# Altium PCB LED_BUFFER_v1.EDIT.PcbDoc (part 1 of 2)
Units mm, origin at the board's own origin, x right, y up, seen from the top; angles counter-clockwise.
Board outline 280 x 45 mm, 2 copper layers (Top Layer, Bottom Layer); 70 components, 165 nets, 480 pads, 245 vias.
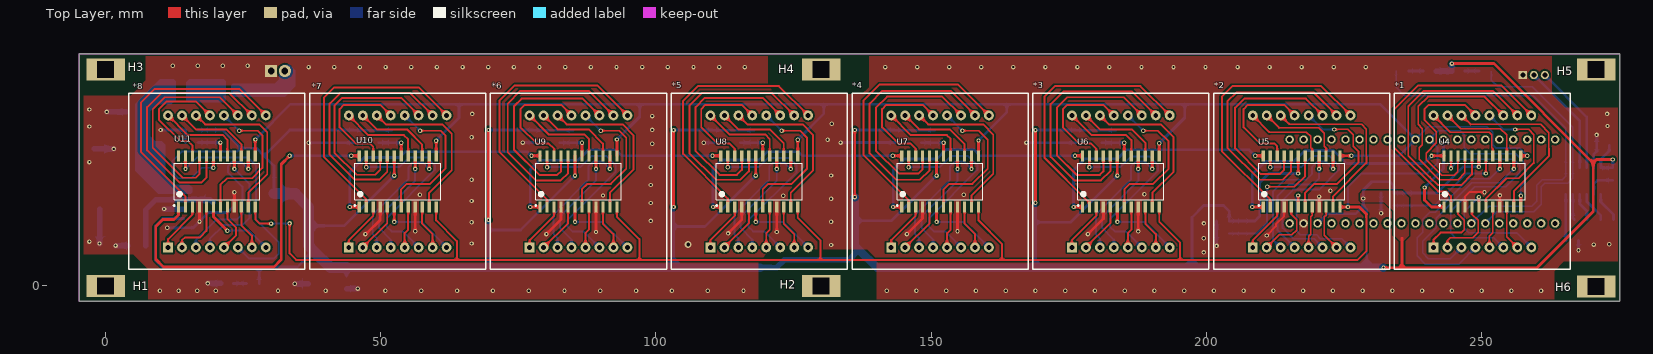
[diagram p0: Top Layer view]
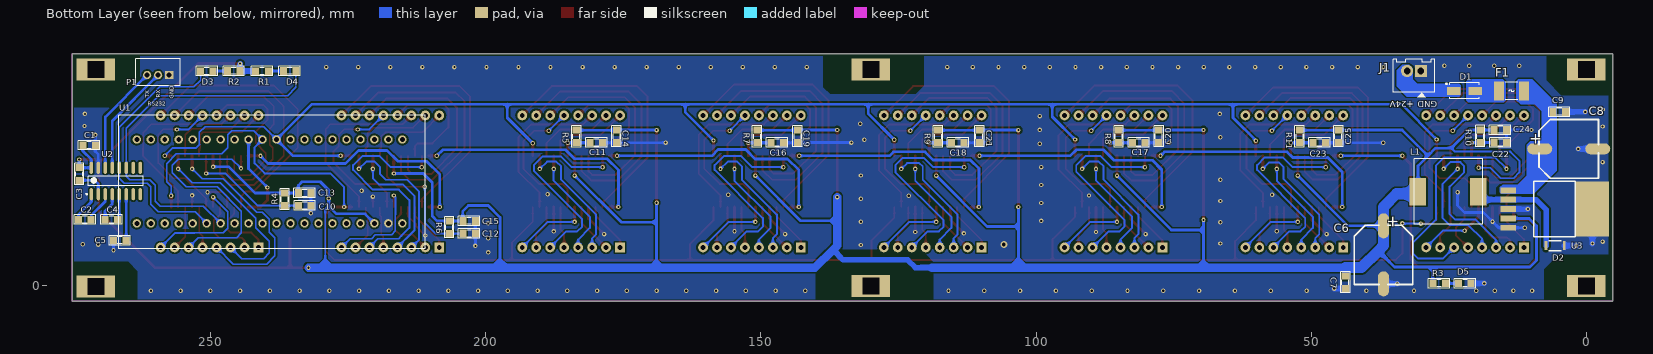
[diagram p1: Bottom Layer view, seen from below]
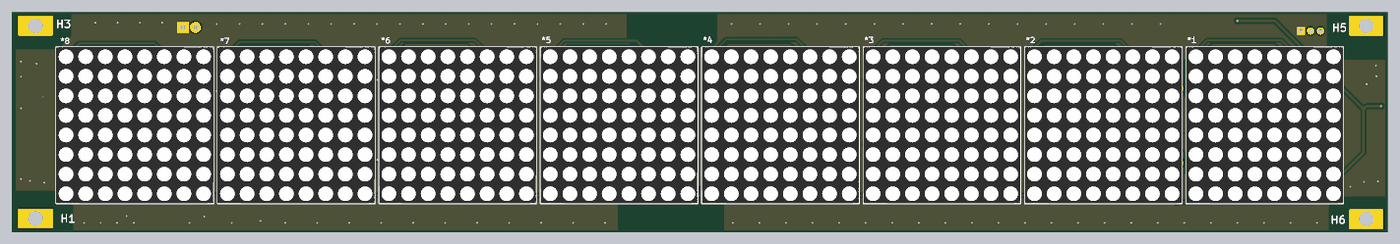
[diagram p3: 3D render of the assembled board from above, using the file's embedded part models]
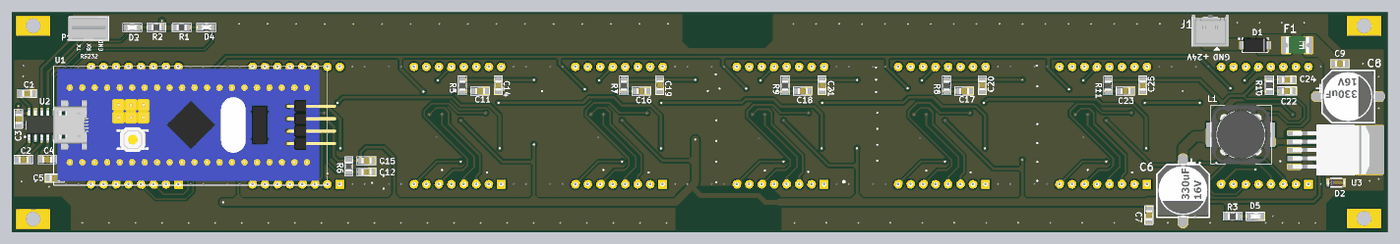
[diagram p4: 3D render of the assembled board from below, using the file's embedded part models]

## Layer stack, top to bottom
Top Solder: solder mask 0.0102, Solder Resist, Dk 3.5
Top Layer: signal copper 0.0356
Dielectric 1: dielectric 0.32, FR-4, Dk 4.8
Bottom Layer: signal copper 0.0356
Bottom Solder: solder mask 0.0102, Solder Resist, Dk 3.5

## Board outline
-4.791,-2.836 -4.791,42.164 275.209,42.164 275.209,-2.836

## Design rules (kind name [scope] priority, off if disabled: settings)
Clearance [All] p1: gap=0.254 ignorepadtopadclearanceinfootprint=FALSE except(0.35: Arc-Fill Arc-Poly Arc-Region Track-Fill Track-Poly Track-Region SMDPad-Fill SMDPad-Poly SMDPad-Region THPad-Fill THPad-Poly THPad-Region Via-Fill Via-Poly Via-Region)
PlaneConnect [All] p1: planeconnectstyle=Direct reliefexpansion=0.508 reliefentries=4 reliefconductorwidth=0.254 reliefairgap=0.254
PolygonConnect [All] p1: connectstyle=Direct reliefconductorwidth=0.254 reliefentries=4 polygonreliefangle="90 Angle" airgapwidth=0.254
RoutingPriority [All] p1: routingpriority=1
RoutingVias [All] p1: holewidth=0.508 width=0.965 viastyle="Through Hole" minholewidth=0.4 minwidth=0.8 maxholewidth=0.508 maxwidth=0.965
SolderMaskExpansion [All] p1: expansion=0.102
Width [All] p1: maxlimit=3 minlimit=0.254 preferedwidth=0.508 minimp=50.000000 maximp=50.000000 favimp=50.000000
28 further rules are at their usual default settings.

## Components (designator, comment, footprint, x,y, rotation, side; value= is the part's Value field where it differs from the comment)
*1 "LED MATRIX 8x8" "LED MATRIX 8x8" 241.317,6.985 r0 top locked
*2 "LED MATRIX 8x8" "LED MATRIX 8x8" 208.46,6.985 r0 top locked
*3 "LED MATRIX 8x8" "LED MATRIX 8x8" 175.604,6.985 r0 top locked
*4 "LED MATRIX 8x8" "LED MATRIX 8x8" 142.747,6.985 r0 top locked
*5 "LED MATRIX 8x8" "LED MATRIX 8x8" 109.891,6.985 r0 top locked
*6 "LED MATRIX 8x8" "LED MATRIX 8x8" 77.034,6.985 r0 top locked
*7 "LED MATRIX 8x8" "LED MATRIX 8x8" 44.178,6.985 r0 top locked
*8 "LED MATRIX 8x8" "LED MATRIX 8x8" 11.321,6.985 r0 top locked
C1 "104" "0805 CAP" 272.11,25.539 r0 bottom
C2 "104" "0805 CAP" 272.872,12.049 r0 bottom
C3 "104" "0805 CAP" 273.888,20.332 r270 bottom
C4 "104" "0805 CAP" 268.046,12.049 r180 bottom
C5 "104" "0805 CAP" 266.522,8.267 r180 bottom
C6 "1000uF/35V" "CAP ALUMINUM SMD" 36.847,10.795 r270 bottom
C7 "104" "0805 CAP" 43.764,0.647 r270 bottom
C8 "1000uF/35V" "CAP ALUMINUM SMD" 8.331,24.904 r180 bottom
C9 "104" "0805 CAP" 4.902,31.62 r180 bottom
C10 "104" "0805 CAP" 232.927,14.589 r0 bottom
C11 "104" "0805 CAP" 179.929,26.023 r0 bottom
C12 "104" "0805 CAP" 203.043,9.509 r0 bottom
C13 "104" "0805 CAP" 232.927,16.875 r180 bottom
C14 "104" "0805 CAP" 176.225,27.175 r270 bottom
C15 "104" "0805 CAP" 203.043,11.795 r180 bottom
C16 "104" "0805 CAP" 147.072,26.023 r0 bottom
C17 "104" "0805 CAP" 81.359,26.023 r0 bottom
C18 "104" "0805 CAP" 114.216,26.023 r0 bottom
C19 "104" "0805 CAP" 143.332,27.19 r270 bottom
C20 "104" "0805 CAP" 77.673,27.19 r270 bottom
C21 "104" "0805 CAP" 110.283,27.175 r270 bottom
C22 "104" "0805 CAP" 15.653,26.047 r0 bottom
C23 "104" "0805 CAP" 48.528,26.016 r0 bottom
C24 "104" "0805 CAP" 15.646,28.34 r180 bottom
C25 "104" "0805 CAP" 45.034,27.175 r270 bottom
D1 "DIODE" "DIODE SMA" 22.133,35.433 r180 bottom
D2 "SS24" "DIODE ZENER SMD" 4.013,7.315 r0 bottom
D3 "LED" "LED SMD 0805" 250.719,38.966 r0 bottom
D4 "LED" "LED SMD 0805" 235.634,39.122 r180 bottom
D5 "LED" "LED SMD 0805" 22.047,0.52 r180 bottom
F1 "FUSE" "FUSE 1812" 13.589,35.433 r0 bottom
H1 "HOLE" HOLE#1 0,0 r0 top
H2 "HOLE" HOLE#2 182.499,-16.51 r0 top
H3 "HOLE" HOLE#1 0,39.37 r0 top
H4 "HOLE" HOLE#3 184.277,57.15 r0 top
H5 "HOLE" HOLE#1 270.891,39.37 r0 top
H6 "HOLE" HOLE#1 270.891,-0.127 r0 top
J1 "CONN HEADER VERT 2POS 2.5MM" 0353120260 31.318,39.056 r180 bottom
L1 "100uH" "CDRH127 - 3A" 19.593,17.129 r0 bottom
P1 "Header 3H" "HDR1X3 2mm" 257.556,38.319 r0 bottom
R1 "1k" "0805 RESISTOR" 245.805,39.056 r180 bottom value="R1/4W - 1K"
R2 "1k" "0805 RESISTOR" 240.675,39.031 r0 bottom value="R1/4W - 1K"
R3 "1k" "0805 RESISTOR" 26.746,0.455 r0 bottom value="R1/4W - 1K"
R4 "10k" "0805 RESISTOR" 236.527,15.732 r270 bottom value="R1/4W - 1K"
R5 "10k" "0805 RESISTOR" 183.529,27.166 r270 bottom value="R1/4W - 1K"
R6 "10k" "0805 RESISTOR" 206.643,10.652 r270 bottom value="R1/4W - 1K"
R7 "10k" "0805 RESISTOR" 150.672,27.166 r270 bottom value="R1/4W - 1K"
R8 "10k" "0805 RESISTOR" 84.959,27.166 r270 bottom value="R1/4W - 1K"
R9 "10k" "0805 RESISTOR" 117.816,27.166 r270 bottom value="R1/4W - 1K"
R10 "10k" "0805 RESISTOR" 19.246,27.197 r270 bottom value="R1/4W - 1K"
R11 "10k" "0805 RESISTOR" 52.103,27.166 r270 bottom value="R1/4W - 1K"
U1 "STM32 BluePill" "Arduino STM32F103" 215.173,26.605 r270 bottom locked
U2 "MAX232" "SOIC 16PIN" 267.252,19.063 r90 bottom
U3 "LM2596" TO263-5 14.163,13.967 r270 bottom
U4 "MAX7219" SOIC127P1030X265-24N 250.207,18.985 r90 top locked
U5 "MAX7219" SOIC127P1030X265-24N 217.35,18.985 r90 top
U6 "MAX7219" SOIC127P1030X265-24N 184.494,18.985 r90 top
U7 "MAX7219" SOIC127P1030X265-24N 151.637,18.985 r90 top
U8 "MAX7219" SOIC127P1030X265-24N 118.781,18.985 r90 top
U9 "MAX7219" SOIC127P1030X265-24N 85.924,18.985 r90 top
U10 "MAX7219" SOIC127P1030X265-24N 53.068,18.985 r90 top
U11 "MAX7219" SOIC127P1030X265-24N 20.211,18.985 r90 top

## Footprints (in the part's own frame and the unit in brackets; to place one, negate y for a bottom-side part, rotate by r counter-clockwise, add the part's x,y. Pads: shape width x height; smd on the part's side, far side on the other; paste and mask are expansions set on the pad)
"0805 CAP" [mil] "Compoment SMD 80x50mil"
  rect 50x55 smd: 1(-45,0) 2(45,0)
  silkscreen extent -77,-34 76,33, body extent -40,-25 40,25, height 24
"0805 RESISTOR" [mil] "Compoment SMD 80x50mil"
  rect 50x55 smd: 1(-45,0) 2(45,0)
  silkscreen extent -77,-34 76,33, body extent -39,-25 39,25, height 24
0353120260 [mm]
  rect 2.2x2.2 hole 1.2: 1(1.25,0)
  round 2.2 hole 1.2: 2(-1.25,0)
  silkscreen extent -3.75,-4.75 3.77,2.12, body extent -3.68,-3.87 3.78,2.63, height 7.02
"Arduino STM32F103" [mil]
  round 60 hole 35.43: 1(0,0) 2(0,-100) 3(0,-200) 4(0,-300) 5(0,-400) 6(0,-500) 7(0,-600) 8(0,-700) 9(0,-800) 10(0,-900) 11(0,-1000) 12(0,-1100) 13(0,-1200) 14(0,-1300) 15(0,-1400) 16(0,-1500) 17(0,-1600) 18(0,-1700) 19(0,-1800) 20(0,-1900) 21(600,0) 22(600,-100) 23(600,-200) 24(600,-300) 25(600,-400) 26(600,-500) 27(600,-600) 28(600,-700) 29(600,-800) 30(600,-900) 31(600,-1000) 32(600,-1100) 33(600,-1200) 34(600,-1300) 35(600,-1400) 36(600,-1500) 37(600,-1600) 38(600,-1700) 39(600,-1800) 40(600,-1900)
  silkscreen extent -175,-2030 780,165, body extent -155,-2035 745,231, height 700
"CAP ALUMINUM SMD" [mil] "330-470uF"
  oval 179.37x79.37 smd: 1(-5,0) 2(410,0)
  silkscreen extent -10,-210 415,210, body extent -17,-203 417,203, height 437
"CDRH127 - 3A" [mm] "12x12x7mm"
  rect 3x5 smd: 1(0,0) 2(11,0)
  silkscreen extent -0.76,-5.97 11.68,5.97, body extent -0.71,-6 11.63,6, height 7.4
"DIODE SMA" [mm]
  rect 2.45x1.5 smd: 1(-1.925,0) 2(1.925,0)
  silkscreen extent -3.43,-1.45 2.65,1.45, body extent -2.8,-1.48 2.8,1.47, height 2.7
"DIODE ZENER SMD" [mm]
  rect 0.47x1.6 smd: 1(0,0) 2(3.302,0)
  silkscreen extent 0.51,-0.89 2.79,0.89, body extent -0.1,-0.73 3.4,0.73, height 1.43
"FUSE 1812" [mm]
  rect 1.78x3.15 smd: 1(-2.25,0)
  rect 1.78x3.5 smd: 1(-2.25,0) 2(2.25,0)
  silkscreen extent -1.12,-1.57 1.15,1.58, body extent -2.39,-1.71 2.34,1.7, height 1.34
"HDR1X3 2mm" [mm] "Connector; Header; 3 Position"
  rect 1.5x1.5 hole 0.9: 1(0,0)
  round 1.5 hole 0.9: 2(2,0) 3(4,0)
  silkscreen extent -2.03,-2.92 6.03,1.91, body extent -1.97,-2.83 6.03,1.82, height 6.02
HOLE#1 [mm]
  rect 7x4 hole 3 square: H(0,0)
HOLE#2 [mm]
  rect 7x4 hole 3 square: H(-52.499,16.51)
HOLE#3 [mm]
  rect 7x4 hole 3 square: H(-54.277,-17.78)
"LED MATRIX 8x8" [mil]
  rect 70x70 hole 35: 1(0,0)
  round 70 hole 35: 2(100,0) 3(200,0) 4(300,0) 5(400,0) 6(500,0) 7(600,0) 8(700,0) 9(700,944.88) 10(600,944.88) 11(500,944.88) 12(400,944.88) 13(300,944.88) 14(200,944.88) 15(100,944.88) 16(0,944.88)
  silkscreen extent -280,-155 980,1105, body extent -280,-155 980,1105, height 515
"LED SMD 0805" [mil] "Compoment SMD 80x50mil"
  rect 50x55 smd: 1(-45.39,-2.58) 2(44.61,-2.58)
  silkscreen extent -77,-37 76,30, body extent -41,-21 41,15, height 33
SOIC127P1030X265-24N [mm] "SOIC 24, Pitch 1.27mm - Body 7.6x15.6mm, IPC Medium Density"
  rect 2x0.6 smd: 1(-4.65,6.985) 2(-4.65,5.715) 3(-4.65,4.445) 4(-4.65,3.175) 5(-4.65,1.905) 6(-4.65,0.635) 7(-4.65,-0.635) 8(-4.65,-1.905) 9(-4.65,-3.175) 10(-4.65,-4.445) 11(-4.65,-5.715) 12(-4.65,-6.985) 13(4.65,-6.985) 14(4.65,-5.715) 15(4.65,-4.445) 16(4.65,-3.175) 17(4.65,-1.905) 18(4.65,-0.635) 19(4.65,0.635) 20(4.65,1.905) 21(4.65,3.175) 22(4.65,4.445) 23(4.65,5.715) 24(4.65,6.985)
  silkscreen extent -4.5,-7.8 3.3,7.9, body extent -5.18,-7.8 5.18,7.8, height 1.68
"SOIC 16PIN" [mm]
  oval 2.2x0.6 smd: 1(-2.4,4.445) 2(-2.4,3.175) 3(-2.4,1.905) 4(-2.4,0.635) 5(-2.4,-0.635) 6(-2.4,-1.905) 7(-2.4,-3.175) 8(-2.4,-4.445) 9(2.4,-4.445) 10(2.4,-3.175) 11(2.4,-1.905) 12(2.4,-0.635) 13(2.4,0.635) 14(2.4,1.905) 15(2.4,3.175) 16(2.4,4.445)
  silkscreen extent -2.52,-5 0.9,5.42, body extent -3,-4.95 3,4.95, height 1.4
TO263-5 [mm] "LM2576-SMD"
  rect 1.07x2.75 smd: 1(-3.4,-0.025) 2(-1.7,-0.025) 3(0,-0.025) 4(1.7,-0.025) 5(3.4,-0.025)
  rect 10x6 smd: 3(0,15.289)
  silkscreen extent -5.08,4.57 5.08,12.19, body extent -5,-0.38 5,15.29, height 4.79

## Part data
C1 C2 C3 C4 C5 C7 C9 C10 C11 C12 C13 C14 C15 C16 C17 C18 C19 C20 C21 C22 C23 C24 C25: library part "CAP CERAMIC", LatestRevisionDate=17-Jul-2002, LatestRevisionNote="Re-released for DXP Platform.", PackageReference=RAD-0.3, Published=8-Jun-2000, Publisher="Altium Limited"
C6 C8: library part CAPACITOR
D2: library part SS1x
L1: library part INDUCTOR
R1 R2 R3 R4 R5 R6 R7 R8 R9 R10 R11: library part RESISTOR
U1: library part "STM32 Bluepill"
F1: =FUSE
J1: P/N=0353120260
P1: LatestRevisionDate=17-Jul-2002, LatestRevisionNote="Re-released for DXP Platform.", Publisher="Altium Limited"

## Via types
v1: diameter 0.8, hole 0.4, Top Layer to Bottom Layer, tented both sides, 244 vias
v2: diameter 1.27, hole 0.711, Top Layer to Bottom Layer, tented both sides, 1 vias

## Nets (pads, with @x,y where several pads share a name; then routed paths per layer and width w, separated by ;. In a path a pad name is that pad's centre, name@x,y a point inside that pad or via, vN(x,y) a via of type N, cw(c..) or ccw(c..) an arc to the next point about the centre after c; other vN are vias at no path point)
1_COL1: *1.13 U4.22 | length 31.4
  Top Layer w0.254: 239.665,30.226 241.843,28.048 241.843,26.006 239.979,24.142 239.979,22.905 242.806,20.078 245.059,20.078 245.762,20.781 U4.22@245.762,23.635
  Top Layer w0.35: 239.665,30.226 239.665,32.128 240.427,32.89 247.032,32.89 *1.13@248.937,30.985
1_COL2: *1.3 U4.14 | length 35.8
  Top Layer w0.508: v1(255.922,21.259) U4.14@255.922,23.635
  Bottom Layer w0.254: *1.3@246.397,6.985 244.377,4.965 240.36,4.965 239.344,5.981 239.344,8.112 241.818,10.586 241.818,12.265 248.286,18.732 253.396,18.732 v1(255.922,21.259)
1_COL3: *1.4 U4.16 | length 39.7
  Top Layer w0.508: v1(253.382,21.259) U4.16@253.382,23.635
  Bottom Layer w0.254: *1.4@248.937,6.985 245.901,3.949 239.852,3.949 238.328,5.473 238.328,8.775 239.344,9.791 239.344,12.077 240.614,13.347 241.658,13.347 247.754,19.443 251.566,19.443 v1(253.382,21.259)
1_COL4: *1.10 U4.20 | length 49.7
  Top Layer w0.254: 236.763,32.639 236.763,23.675 240.67,19.768
  Top Layer w0.35: 236.763,32.639 239.557,35.433 252.109,35.433 *1.10@256.557,30.985 ; 240.67,19.768 242.138,18.3 246.329,18.3 248.302,20.273 U4.20@248.302,23.635
1_COL5: *1.6 U4.23 | length 47.4
  Top Layer w0.35: v1(244.492,21.348) U4.23@244.492,23.635
  Bottom Layer w0.254: v1(244.492,21.348) 246.143,22.999 255.93,22.999 256.974,21.955 256.974,20.563 254.433,18.022 248.845,18.022 244.424,13.601 244.424,9.664 245.313,8.775 252.227,8.775 *1.6@254.017,6.985
1_COL6: *1.11 U4.21 | length 41.3
  Top Layer w0.254: 238.541,29.337 239.303,28.575 239.303,25.666 238.709,25.072 238.709,22.999 242.392,19.316 245.821,19.316 247.032,20.527 U4.21@247.032,23.635
  Top Layer w0.35: 238.541,29.337 238.541,32.639 240.319,34.417 250.585,34.417 *1.11@254.017,30.985
1_COL7: *1.15 U4.15 | length 16
  Top Layer w0.254: 246.255,28.587 253.458,28.587 254.584,27.461 254.584,25.083 254.652,25.015
  Top Layer w0.35: *1.15@243.857,30.985 246.255,28.587 ; U4.15@254.652,23.635 254.652,25.015
1_COL8: *1.16 U4.17 | length 16
  Top Layer w0.254: 244.35,27.952 251.409,27.952 251.917,27.444 251.917,25.084 252.112,24.889
  Top Layer w0.35: *1.16@241.317,30.985 244.35,27.952 ; U4.17@252.112,23.635 252.112,24.889
1_ISET: C10.2 R4.2 U4.18 | length 22.4
  Top Layer w0.35: v1(250.842,20.426) U4.18@250.842,23.635
  Bottom Layer w0.35: C10.2@234.07,14.589 R4.2@236.527,14.589 241.462,14.589 247.299,20.426 v1(250.842,20.426)
1_ROW1: *1.9 U4.2 | length 51.9
  Top Layer w0.254: 236.763,34.671 234.223,32.131 234.223,25.072 242.138,17.157
  Top Layer w0.35: 236.763,34.671 238.541,36.449 253.633,36.449 *1.9@259.097,30.985 ; 242.138,17.157 243.662,17.157 244.492,16.327 U4.2@244.492,14.335
1_ROW2: *1.14 U4.11 | length 33.3
  Top Layer w0.254: 248.045,29.337 260.791,29.337 262.273,27.855 262.273,25.003
  Top Layer w0.35: *1.14@246.397,30.985 248.045,29.337 ; U4.11@255.922,14.335 255.922,17.225 262.273,23.576 262.273,25.003
1_ROW3: *1.8 U4.6 | length 22.2
  Top Layer w0.35: U4.6@249.572,14.335 v1(249.572,16.135)
  Bottom Layer w0.254: v1(249.572,16.135) 246.948,13.511 246.948,10.442 247.754,9.636 252.933,9.636
  Bottom Layer w0.35: 252.933,9.636 256.446,9.636 *1.8@259.097,6.985
1_ROW4: *1.12 U4.7 | length 27.6
  Top Layer w0.254: v1(256.141,28.432) 258.589,28.432 259.57,27.451 259.57,22.37
  Top Layer w0.35: U4.7@250.842,14.335 250.842,15.828 254.584,19.57 256.769,19.57 259.57,22.37
  Bottom Layer w0.35: *1.12@251.477,30.985 254.03,28.432 v1(256.141,28.432)
1_ROW5: *1.1 U4.3 | length 12.3
  Top Layer w0.254: U4.3@245.762,14.335 245.762,13.099 246.906,11.955 246.906,10.245 246.333,9.671
  Top Layer w0.35: *1.1@241.317,6.985 241.317,8.365 242.623,9.671 246.333,9.671
1_ROW6: *1.7 U4.10 | length 8.1
  Top Layer w0.254: U4.10@254.652,14.335 254.652,8.89 *1.7@256.557,6.985
1_ROW7: *1.2 U4.5 | length 12.5
  Top Layer w0.254: 243.857,8.238 244.366,8.747 248.429,8.747 249.446,9.764 249.446,11.886 248.302,13.03
  Top Layer w0.35: *1.2@243.857,6.985 243.857,8.238 ; 248.302,13.03 U4.5@248.302,14.335
1_ROW8: *1.5 U4.8 | length 7.6
  Top Layer w0.254: *1.5@251.477,6.985 251.477,9.036 252.112,9.671 U4.8@252.112,14.335
1_V+: C1.2 C3.1 C6.1 C7.1 C13.1 C14.1 C15.1 C19.1 C20.1 C21.1 C24.1 C25.1 L1.2 R1.2 R2.2 R3.2 R4.1 R5.1 R6.1 R7.1 R8.1 R9.1 R10.1 R11.1 U1.23 U2.16 U3.4 U4.19 U5.19 U6.19 U7.19 U8.19 U9.19 U10.19 U11.19 | length 801.8
  Top Layer w0.5: v1(19.576,21.475) U11.19@19.576,23.635 ; v1(52.433,20.054) U10.19@52.433,23.635 ; v1(69.569,11.986) v1(69.569,28.333) ; v1(85.289,20.054) U9.19@85.289,23.635 ; v1(103.2,14.335) v1(103.2,28.318) ; v1(118.146,20.054) U8.19@118.146,23.635 ; v1(136.117,16.141) v1(136.117,28.333) ; v1(151.002,20.054) U7.19@151.002,23.635 ; v1(168.971,15.125) v1(168.971,28.318) ; v1(183.859,20.054) U6.19@183.859,23.635 ; v1(216.715,20.422) U5.19@216.715,23.635 ; v1(232.232,3.314) 235.608,3.314 ; 235.585,8.674 235.585,3.337 235.608,3.314 ; v1(244.662,40.398) 252.298,40.398 270.332,22.364 ; v1(249.572,21.635) U4.19@249.572,23.635 ; v1(273.888,22.967) 270.935,22.967 270.332,22.364 ; 235.608,3.314 260.172,3.314 270.332,13.474 270.332,22.364
  Bottom Layer w0.35: v1(19.576,21.475) 17.475,21.475 15.57,19.57 13.183,19.57 12.141,20.612 12.141,22.745 13.792,24.396 23.911,24.396 24.546,25.031 ; 229.184,3.314 229.184,13.855
  Bottom Layer w0.5: U3.4@14.188,12.267 10.379,12.267 9.034,10.922 9.034,4.643 10.236,3.441 28.016,3.441 ; C24.1@16.789,28.34 R10.1@19.246,28.34 21.237,28.34 24.546,25.031 27.381,25.031 28.778,23.635 ; R3.2@27.889,0.455 27.889,3.314 28.016,3.441 ; L1.2@30.593,17.129 30.593,21.819 28.778,23.635 ; C6.1@36.847,10.922 43.301,10.922 v1(52.433,20.054) ; 37.795,6.362 34.874,3.441 28.016,3.441 ; C7.1@43.764,1.79 43.764,3.314 ; R11.1@51.961,28.309 45.043,28.309 C25.1@45.034,28.318 33.461,28.318 28.778,23.635 ; 69.545,3.314 69.569,3.338 69.569,10.172 ; v1(69.569,11.986) 69.569,10.172 ; v1(69.569,28.333) C20.1@77.673,28.333 77.697,28.309 R8.1@84.959,28.309 ; v1(85.289,20.054) 75.407,10.172 69.569,10.172 ; v1@103.185,28.318 v1(103.2,28.318) C21.1@110.283,28.318 110.292,28.309 R9.1@117.816,28.309 ; 103.2,3.314 103.2,10.807 ; v1(103.2,14.335) 103.2,10.807 ; v1(118.146,20.054) 108.899,10.807 103.2,10.807 ; 136.117,11.95 136.244,11.823 142.771,11.823 v1(151.002,20.054) ; v1(136.117,28.333) C19.1@143.332,28.333 143.356,28.309 R7.1@150.672,28.309 ; v1(168.971,15.125) 168.971,11.569 ; v1(168.971,28.318) C14.1@176.225,28.318 176.234,28.309 R5.1@183.529,28.309 ; 168.986,3.314 168.971,3.329 168.971,11.569 ; v1(183.859,20.054) 175.374,11.569 168.971,11.569 ; 197.434,3.314 197.434,12.458 199.565,14.589 203.177,14.589 204.186,13.58 C15.1@204.186,11.795 R6.1@206.643,11.795 208.841,11.795 209.73,12.684 209.73,18.773 211.379,20.422 v1(216.715,20.422) ; U1.23@220.253,11.365 221.981,13.093 227.152,13.093 228.549,14.49 ; 229.184,13.855 228.549,14.49 ; v1(249.572,21.635) 246.712,21.635 241.952,16.875 R4.1@236.527,16.875 C13.1@234.07,16.875 234.07,18.24 233.375,18.935 230.097,18.935 228.549,17.387 v1(228.549,15.887) 228.549,14.49 ; C1.2@273.253,25.539 273.253,24.523 271.697,22.967 U2.16@271.697,21.463 271.709,21.475 C3.1@273.888,21.475 v1(273.888,22.967)
  Bottom Layer w1: 118.948,3.314 121.947,3.314 123.344,4.711 135.077,4.711 136.919,6.553 ; R2.2@241.818,39.031 244.637,39.031 R1.2@244.662,39.056 v1(244.662,40.398)
  Bottom Layer w1.5: 43.764,3.314 69.545,3.314 103.2,3.314 118.948,3.314 ; v1(136.117,16.141) 136.117,11.95 136.117,7.354 136.919,6.553 140.157,3.314 168.986,3.314 197.434,3.314 229.184,3.314 v1(232.232,3.314)
  Bottom Layer w2: L1.2@30.593,16.764 34.452,16.764 36.847,14.369 C6.1@36.847,10.922 36.847,7.31 37.795,6.362 40.843,3.314 43.764,3.314
2_COL1: *2.13 U5.22 | length 22.9
  Top Layer w0.35: U5.22@212.905,23.635 212.905,25.349 212.349,25.905 209.729,25.905 206.808,28.826 206.808,32.128 207.57,32.89 214.175,32.89 *2.13@216.08,30.985
2_COL2: *2.3 U5.14 | length 27.6
  Top Layer w0.508: v1(223.065,21.259) U5.14@223.065,23.635
  Bottom Layer w0.35: *2.3@213.54,6.985 212.108,8.417 212.108,17.129 214.271,19.292 218.204,19.292 219.22,20.308 219.22,21.578 220.232,22.59 221.734,22.59 v1(223.065,21.259)
2_COL3: *2.4 U5.16 | length 23.6
  Top Layer w0.508: v1(220.525,21.259) U5.16@220.525,23.635
  Bottom Layer w0.35: *2.4@216.08,6.985 212.997,10.068 212.997,16.367 215.033,18.403 219.347,18.403 220.525,19.581 v1(220.525,21.259)
2_COL4: *2.10 U5.20 | length 48.1
  Top Layer w0.35: U5.20@215.445,23.635 215.445,20.847 213.886,19.288 209.708,19.288 203.87,25.126 203.87,33.528 205.521,35.179 219.506,35.179 *2.10@223.7,30.985
2_COL5: *2.6 U5.23 | length 43.3
  Top Layer w0.35: v1(211.635,21.574) U5.23@211.635,23.635
  Bottom Layer w0.254: 215.341,9.07 215.867,8.544 219.601,8.544 *2.6@221.16,6.985
  Bottom Layer w0.35: v1(211.635,21.574) 217.26,21.574 219.292,23.606 222.467,23.606 224.118,21.955 224.118,21.066 220.566,17.514 215.812,17.514 213.886,15.588 213.886,10.525 215.341,9.07
2_COL6: *2.11 U5.21 | length 38.9
  Top Layer w0.35: U5.21@214.175,23.635 214.175,21.135 213.358,20.317 209.952,20.317 205.267,25.002 205.267,32.385 206.918,34.036 218.109,34.036 *2.11@221.16,30.985
2_COL7: *2.15 U5.15 | length 16
  Top Layer w0.254: 213.271,28.714 220.474,28.714 221.444,27.744 221.444,25.366 221.795,25.015
  Top Layer w0.35: *2.15@211,30.985 213.271,28.714 ; U5.15@221.795,23.635 221.795,25.015
2_COL8: *2.16 U5.17 | length 15.8
  Top Layer w0.254: 211.493,27.952 218.224,27.952 219.024,27.152 219.024,25.12 219.255,24.889
  Top Layer w0.35: *2.16@208.46,30.985 211.493,27.952 ; U5.17@219.255,23.635 219.255,24.889
2_ISET: C12.2 R6.2 U5.18 | length 25.6
  Top Layer w0.35: v1(211.088,18.022) 216.041,18.022 217.985,19.967 U5.18@217.985,23.635
  Bottom Layer w0.35: C12.2@204.186,9.509 R6.2@206.643,9.509 209.09,9.509 211.088,11.507 v1(211.088,18.022)
2_ROW1: *2.9 U5.2 | length 50.1
  Top Layer w0.35: U5.2@211.635,14.335 211.635,15.713 202.854,24.494 202.854,34.417 204.759,36.322 220.903,36.322 *2.9@226.24,30.985
2_ROW2: *2.14 U5.11 | length 33.3
  Top Layer w0.254: 215.049,29.476 215.191,29.334 228.237,29.334 229.126,28.445 229.126,23.507
  Top Layer w0.35: *2.14@213.54,30.985 215.049,29.476 ; U5.11@223.065,14.335 223.065,16.286 229.126,22.347 229.126,23.507
2_ROW3: *2.8 U5.6 | length 19.7
  Top Layer w0.35: U5.6@216.715,14.335 v1(216.715,16.432)
  Bottom Layer w0.254: 216.426,12.938 216.426,9.995 217.138,9.283 220.062,9.283 220.732,8.613 224.612,8.613 *2.8@226.24,6.985
  Bottom Layer w0.35: 216.426,12.938 216.426,16.143 v1(216.715,16.432)
2_ROW4: *2.12 U5.7 | length 29.5
  Top Layer w0.254: v1(223.284,28.432) 225.732,28.432 226.713,27.451 226.713,25.402 227.66,24.455
  Top Layer w0.35: U5.7@217.985,14.335 217.985,16.91 219.601,18.526 223.799,18.526 227.66,22.387 227.66,24.455
  Bottom Layer w0.35: *2.12@218.62,30.985 221.173,28.432 v1(223.284,28.432)
2_ROW5: *2.1 U5.3 | length 9.2
  Top Layer w0.35: *2.1@208.46,6.985 208.46,8.33 212.905,12.775 U5.3@212.905,14.335
2_ROW6: *2.7 U5.10 | length 8.4
  Top Layer w0.254: U5.10@221.795,14.335 221.795,12.846 221.506,12.557 221.506,9.179 *2.7@223.7,6.985
2_ROW7: *2.2 U5.5 | length 11.3
  Top Layer w0.254: *2.2@211,6.985 213.27,9.255 215.537,9.255 216.426,10.144 216.426,12.049 215.445,13.03
  Top Layer w0.35: 215.445,13.03 U5.5@215.445,14.335
2_ROW8: *2.5 U5.8 | length 7.6
  Top Layer w0.254: *2.5@218.62,6.985 218.62,9.036 218.966,9.382 218.966,12.557 219.255,12.846 U5.8@219.255,14.335
3_COL1: *3.13 U6.22 | length 22.7
  Top Layer w0.35: U6.22@180.049,23.635 180.049,24.888 179.032,25.905 176.873,25.905 173.952,28.826 173.952,32.128 174.714,32.89 181.319,32.89 *3.13@183.224,30.985
3_COL2: *3.3 U6.14 | length 24.8
  Top Layer w0.508: v1(190.209,21.259) U6.14@190.209,23.635
  Bottom Layer w0.35: *3.3@180.684,6.985 180.684,8.656 179.958,9.382 179.958,12.938 186.308,19.288 186.308,21.701 187.197,22.59 188.877,22.59 v1(190.209,21.259)
3_COL3: *3.4 U6.16 | length 20.2
  Top Layer w0.508: v1(187.669,21.259) U6.16@187.669,23.635
  Bottom Layer w0.35: *3.4@183.224,6.985 183.224,8.402 181.101,10.525 181.101,12.557 187.669,19.125 v1(187.669,21.259)
3_COL4: *3.10 U6.20 | length 47.5
  Top Layer w0.35: U6.20@182.589,23.635 182.589,20.874 180.875,19.161 176.04,19.161 171.739,23.462 171.739,33.02 174.025,35.306 186.523,35.306 *3.10@190.844,30.985
3_COL5: *3.6 U6.23 | length 38.1
  Top Layer w0.35: v1(178.779,21.574) U6.23@178.779,23.635
  Bottom Layer w0.35: v1(178.779,21.574) 184.403,21.574 186.312,23.483 189.733,23.483 191.261,21.955 191.261,20.892 182.498,12.129 182.498,10.779 183.387,9.89 185.399,9.89 *3.6@188.304,6.985
3_COL6: *3.11 U6.21 | length 39.2
  Top Layer w0.35: U6.21@181.319,23.635 181.319,20.825 180.671,20.177 176.434,20.177 172.882,23.729 172.882,32.385 174.787,34.29 184.999,34.29 *3.11@188.304,30.985
3_COL7: *3.15 U6.15 | length 15.2
  Top Layer w0.35: *3.15@178.144,30.985 180.697,28.432 186.499,28.432 188.939,25.992 U6.15@188.939,23.635
3_COL8: *3.16 U6.17 | length 15.5
  Top Layer w0.35: *3.16@175.604,30.985 179.169,27.42 185.47,27.42 186.399,26.491 U6.17@186.399,23.635
3_DOUT: U6.24 U7.1 | length 44.7
  Top Layer w0.508: v1(143.11,14.335) U7.1@144.652,14.335 ; v1(176.167,23.635) U6.24@177.509,23.635
  Bottom Layer w0.508: v1(143.11,14.335) 143.11,21.029 145.152,23.071 151.059,23.071 152.765,24.777 157.782,24.777 158.924,23.635 v1(176.167,23.635)
3_ISET: C11.2 R5.2 U6.18 | length 6.4
  Top Layer w0.508: U6.18@185.129,23.635 v1(185.129,26.016)
  Bottom Layer w0.508: C11.2@181.072,26.023 R5.2@183.529,26.023 183.536,26.016 v1(185.129,26.016)
3_ROW1: *3.9 U6.2 | length 49.3
  Top Layer w0.35: U6.2@178.779,14.335 178.779,15.152 170.596,23.335 170.596,34.417 172.501,36.322 188.047,36.322 *3.9@193.384,30.985
3_ROW2: *3.14 U6.11 | length 29.3
  Top Layer w0.35: *3.14@180.684,30.985 182.335,29.334 191.769,29.334 194.074,27.029 194.074,20.754 190.209,16.889 U6.11@190.209,14.335
3_ROW3: *3.8 U6.6 | length 14.2
  Top Layer w0.508: v1(183.859,11.632) U6.6@183.859,14.335
  Bottom Layer w0.35: v1(183.859,11.632) 188.737,11.632 *3.8@193.384,6.985
3_ROW4: *3.12 U6.7 | length 27.1
  Top Layer w0.35: U6.7@185.129,14.335 185.129,17.524 186.131,18.526 190.372,18.526 193.166,21.32 193.166,26.251 191.223,28.194 v1(188.555,28.194)
  Bottom Layer w0.35: *3.12@185.764,30.985 v1(188.555,28.194)
3_ROW5: *3.1 U6.3 | length 9.2
  Top Layer w0.35: *3.1@175.604,6.985 175.604,8.33 180.049,12.775 U6.3@180.049,14.335
3_ROW6: *3.7 U6.10 | length 8.1
  Top Layer w0.35: U6.10@188.939,14.335 188.939,11.323 190.844,9.418 *3.7@190.844,6.985
3_ROW7: *3.2 U6.5 | length 9.2
  Top Layer w0.35: *3.2@178.144,6.985 182.589,11.43 U6.5@182.589,14.335
3_ROW8: *3.5 U6.8 | length 7.6
  Top Layer w0.35: *3.5@185.764,6.985 185.764,9.6 186.399,10.235 U6.8@186.399,14.335
4_COL1: *4.13 U7.22 | length 22.7
  Top Layer w0.35: U7.22@147.192,23.635 147.192,24.888 146.175,25.905 144.016,25.905 141.095,28.826 141.095,32.128 141.857,32.89 148.462,32.89 *4.13@150.367,30.985
4_COL2: *4.3 U7.14 | length 24.8
  Top Layer w0.508: v1(157.352,21.259) U7.14@157.352,23.635
  Bottom Layer w0.35: *4.3@147.827,6.985 147.827,8.656 147.102,9.382 147.102,12.938 153.452,19.288 153.452,21.701 154.341,22.59 156.021,22.59 v1(157.352,21.259)
4_COL3: *4.4 U7.16 | length 20.2
  Top Layer w0.508: v1(154.812,21.259) U7.16@154.812,23.635
  Bottom Layer w0.35: *4.4@150.367,6.985 150.367,8.402 148.245,10.525 148.245,12.557 154.812,19.125 v1(154.812,21.259)
4_COL4: *4.10 U7.20 | length 47.2
  Top Layer w0.35: U7.20@149.732,23.635 149.732,21.047 147.973,19.288 143.636,19.288 138.846,24.078 138.846,33.147 141.132,35.433 153.539,35.433 *4.10@157.987,30.985
4_COL5: *4.6 U7.23 | length 38.3
  Top Layer w0.35: v1(145.922,21.574) U7.23@145.922,23.635
  Bottom Layer w0.35: v1(145.922,21.574) 151.547,21.574 153.579,23.606 156.754,23.606 158.405,21.955 158.405,21.066 149.642,12.303 149.642,10.779 150.531,9.89 152.542,9.89 *4.6@155.447,6.985
4_COL6: *4.11 U7.21 | length 38.5
  Top Layer w0.35: U7.21@148.462,23.635 148.462,21.174 147.719,20.431 144.154,20.431 139.989,24.596 139.989,32.385 142.021,34.417 152.015,34.417 *4.11@155.447,30.985
4_COL7: *4.15 U7.15 | length 15.1
  Top Layer w0.35: *4.15@145.287,30.985 147.836,28.436 153.376,28.436 156.082,25.729 U7.15@156.082,23.635
4_COL8: *4.16 U7.17 | length 15.7
  Top Layer w0.35: *4.16@142.747,30.985 146.312,27.42 152.868,27.42 153.542,26.745 U7.17@153.542,23.635
4_ISET: C16.2 R7.2 U7.18 | length 6.4
  Top Layer w0.508: U7.18@152.272,23.635 v1(152.272,26.016)
  Bottom Layer w0.508: C16.2@148.215,26.023 R7.2@150.672,26.023 152.265,26.023 v1(152.272,26.016)
4_ROW1: *4.9 U7.2 | length 49.1
  Top Layer w0.35: U7.2@145.922,14.335 145.922,15.604 137.703,23.823 137.703,33.655 140.624,36.576 154.936,36.576 *4.9@160.527,30.985
4_ROW2: *4.14 U7.11 | length 29.7
  Top Layer w0.35: *4.14@147.827,30.985 149.478,29.334 159.464,29.334 161.308,27.49 161.308,20.422 157.352,16.466 U7.11@157.352,14.335
4_ROW3: *4.8 U7.6 | length 14.2
  Top Layer w0.508: v1(151.002,11.632) U7.6@151.002,14.335
  Bottom Layer w0.35: v1(151.002,11.632) 155.881,11.632 *4.8@160.527,6.985
4_ROW4: *4.12 U7.7 | length 27.3
  Top Layer w0.35: U7.7@152.272,14.335 152.272,17.524 153.274,18.526 157.516,18.526 160.31,21.32 160.31,26.595 158.711,28.194 v1(155.698,28.194)
  Bottom Layer w0.35: *4.12@152.907,30.985 v1(155.698,28.194)
4_ROW5: *4.1 U7.3 | length 9.2
  Top Layer w0.35: *4.1@142.747,6.985 142.747,8.33 147.192,12.775 U7.3@147.192,14.335
4_ROW6: *4.7 U7.10 | length 8.1
  Top Layer w0.35: U7.10@156.082,14.335 156.082,11.323 157.987,9.418 *4.7@157.987,6.985
4_ROW7: *4.2 U7.5 | length 9.2
  Top Layer w0.35: *4.2@145.287,6.985 149.732,11.43 U7.5@149.732,14.335
4_ROW8: *4.5 U7.8 | length 7.6
  Top Layer w0.35: *4.5@152.907,6.985 152.907,9.6 153.542,10.235 U7.8@153.542,14.335
5_COL1: *5.13 U8.22 | length 22.7
  Top Layer w0.35: U8.22@114.336,23.635 114.336,24.888 113.319,25.905 111.16,25.905 108.239,28.826 108.239,32.128 109.001,32.89 115.606,32.89 *5.13@117.511,30.985
5_COL2: *5.3 U8.14 | length 24.6
  Top Layer w0.508: v1(124.496,21.259) U8.14@124.496,23.635
  Bottom Layer w0.35: *5.3@114.971,6.985 114.971,8.656 114.245,9.382 114.245,12.938 120.595,19.288 120.595,21.701 121.227,22.333 123.421,22.333 v1(124.496,21.259)
5_COL3: *5.4 U8.16 | length 20.2
  Top Layer w0.508: v1(121.956,21.259) U8.16@121.956,23.635
  Bottom Layer w0.35: *5.4@117.511,6.985 117.511,8.402 115.388,10.525 115.388,12.557 121.956,19.125 v1(121.956,21.259)
5_COL4: *5.10 U8.20 | length 46.6
  Top Layer w0.35: U8.20@116.876,23.635 116.876,20.829 115.335,19.288 110.94,19.288 106.08,24.148 106.08,32.766 108.366,35.052 121.064,35.052 *5.10@125.131,30.985
5_COL5: *5.6 U8.23 | length 37.9
  Top Layer w0.35: v1(113.066,21.574) U8.23@113.066,23.635
  Bottom Layer w0.35: v1(113.066,21.574) 118.69,21.574 120.338,23.222 124.281,23.222 125.548,21.955 125.548,20.682 116.785,11.919 116.785,10.779 117.674,9.89 119.686,9.89 *5.6@122.591,6.985
5_COL6: *5.11 U8.21 | length 38.5
  Top Layer w0.35: U8.21@115.606,23.635 115.606,21.084 114.699,20.177 111.557,20.177 107.223,24.511 107.223,32.512 108.874,34.163 119.413,34.163 *5.11@122.591,30.985
5_COL7: *5.15 U8.15 | length 15.2
  Top Layer w0.35: *5.15@112.431,30.985 114.987,28.429 120.722,28.429 123.226,25.925 U8.15@123.226,23.635
5_COL8: *5.16 U8.17 | length 15.6
  Top Layer w0.35: *5.16@109.891,30.985 113.336,27.54 119.833,27.54 120.686,26.687 U8.17@120.686,23.635
5_ISET: C18.2 R9.2 U8.18 | length 6.4
  Top Layer w0.508: U8.18@119.416,23.635 v1(119.416,26.016)
  Bottom Layer w0.508: C18.2@115.359,26.023 R9.2@117.816,26.023 117.823,26.016 v1(119.416,26.016)
5_ROW1: *5.9 U8.2 | length 48.7
  Top Layer w0.35: U8.2@113.066,14.335 113.066,15.874 104.937,24.003 104.937,33.655 107.604,36.322 122.334,36.322 *5.9@127.671,30.985
5_ROW2: *5.14 U8.11 | length 29.8
  Top Layer w0.35: *5.14@114.971,30.985 116.622,29.334 126.67,29.334 128.542,27.462 128.542,20.935 124.496,16.889 U8.11@124.496,14.335
5_ROW3: *5.8 U8.6 | length 14.2
  Top Layer w0.508: v1(118.146,11.632) U8.6@118.146,14.335
  Bottom Layer w0.35: v1(118.146,11.632) 123.024,11.632 *5.8@127.671,6.985